# Allegro board parallella_layout.brd (continued)
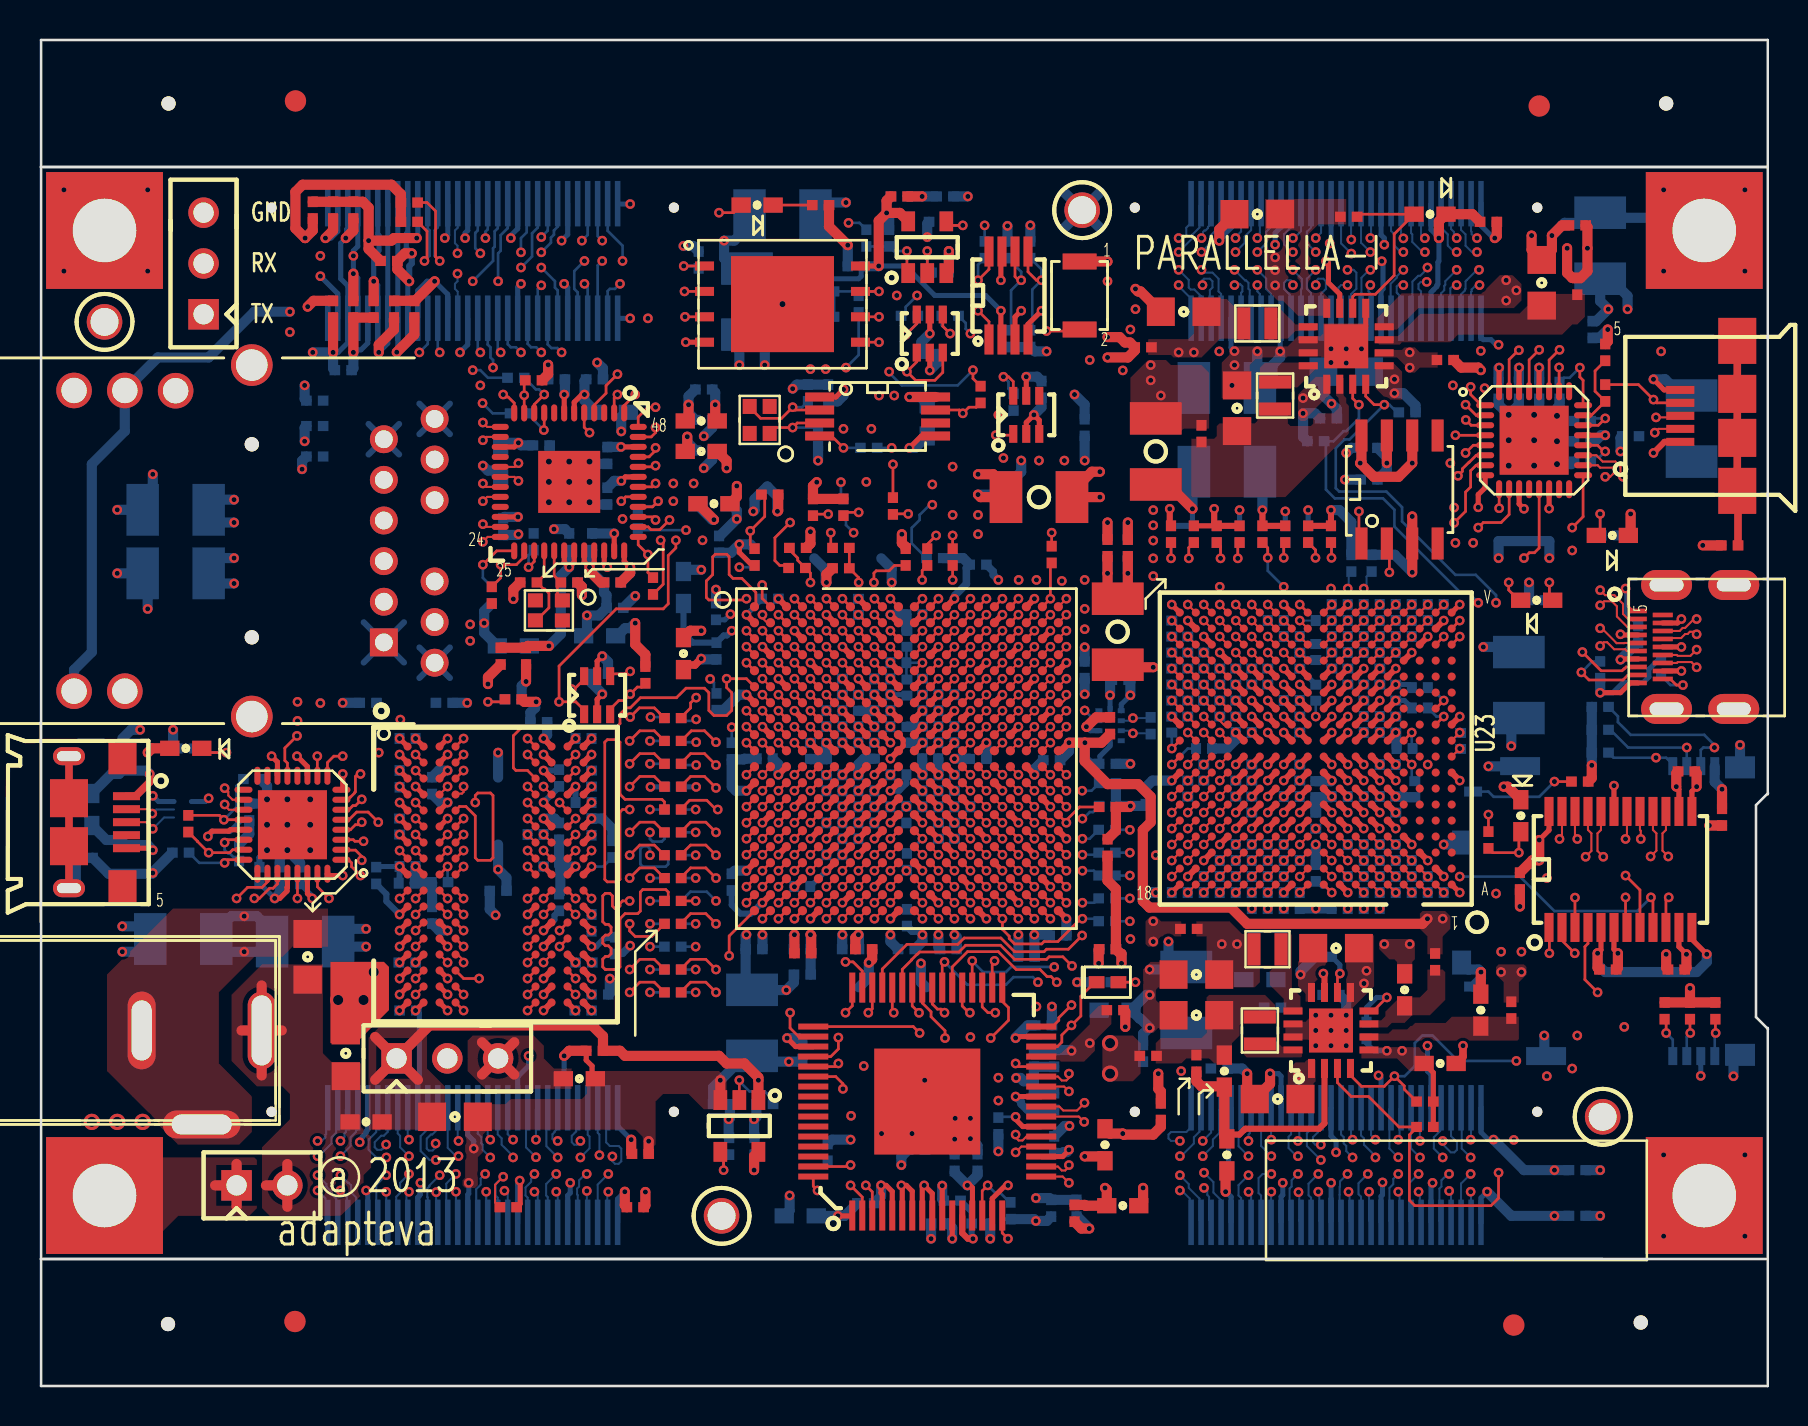
[diagram p0: board, top side]
## Routing (per net, layer and track width the routed paths; a pad name or vN(x,y) marks a point on that pad's centre or on a via; arc(x,y) is an arc through that point) (continued)
  L8_SIG w0.108: v1(55.68,41.39) 54.78,42.29 54.28,42.29 53.9,42.67 53.9,46.86 53.01,47.75 53.01,50.8 v1(52.5,51.31)
  BOTTOM w0.133: R164.1 62.21,42.1 v1(62.21,41.41) ; v1(24.06,56.69) 24.06,57.4 24.34,57.69 24.34,59.07 J13.20
ETH_MDC: length 19.9
  TOP w0.133: v1(42.66,46.09) R60.2 ; v1(28.88,50.6) 28.31,50.03 28.31,49.64 27.72,49.05 U9.4
  L10_SIG w0.108: v1(42.66,46.09) 41.76,46.99 40.87,46.99 40.44,47.42 39.8,47.42 39.6,47.62 38.15,47.62 37.95,47.42 36.76,47.42 34.01,50.16 30.46,50.16 30.03,50.6 v1(28.88,50.6)
ETH_MDIO: length 31.2
  TOP w0.133: v1(27.49,47.68) 27.22,47.94 U9.5 ; U2.C11 v1(44.14,37.77)
  L8_SIG w0.108: v1(44.14,37.77) 44.54,38.17 44.54,41.87 44.38,42.04 44.38,42.93 44.63,43.18 v1(44.63,44.07)
  L10_SIG w0.108: v1(27.49,47.68) 28.37,48.56 30.61,48.56 30.62,48.55 30.95,48.55 30.97,48.56 31.37,48.56 32.06,47.88 33.02,47.88 33.04,47.9 33.58,47.9 34.36,47.12 34.98,47.12 36.32,45.77 41.46,45.77 42.73,44.5 44.07,44.5 44.5,44.07 v1(44.63,44.07)
  BOTTOM w0.133: v1(44.63,44.07) 44.5,44.07 44,43.56 44,43.31 43.6,42.91 43.6,42.14 R61.1
ETH_RXCLK: length 22.9
  TOP w0.133: U2.B17 v1(48.94,38.57)
  L10_SIG w0.108: v1(32.31,42.8) 32.23,42.72 32.18,42.72 32.69,43.23 33.2,43.23 33.58,42.85 34.8,42.85 36.2,41.45 43.17,41.45 43.49,41.14 47.74,41.14 48.33,40.55 48.33,39.88 48.53,39.67 48.53,38.97 v1(48.94,38.57)
  BOTTOM w0.133: R71.1 29.99,42.8 v1(32.31,42.8)
ETH_RXCTL: length 26.8
  TOP w0.133: R297.1 31.17,40.09 31.17,42.16 v1(31.04,42.29) ; U2.D13 v1(45.74,36.97)
  L3_SIG w0.108: v1(45.74,36.97) 46.14,37.37 46.14,41.82 v1(46.92,42.6)
  L5_SIG w0.108: v1(46.92,42.6) 46.54,42.98 45.46,42.98 45.22,42.74 45.22,42.36 44.95,42.09 39.68,42.09 39.17,41.58 31.75,41.58 v1(31.04,42.29)
ETH_RXD0: length 29.1
  TOP w0.133: U9.38 30.42,42.96 30.56,42.82 31,42.82 v1(31.49,43.31) ; U2.D11 v1(44.14,36.97)
  L5_SIG w0.108: v1(31.49,43.31) 33,43.31 33.33,42.98 33.47,42.98 33.64,42.8 33.64,42.1 33.84,41.91 34.34,41.91 34.47,42.04 34.47,42.53 34.54,42.6 35.05,42.6 35.45,42.2 38.79,42.2 39.04,42.45 39.04,42.93 39.24,43.12 42.28,43.12 42.41,43.25 42.41,44.07 42.53,44.2 42.85,44.2 42.98,44.07 42.98,43.25 43.11,43.12 45.2,43.12 v1(45.65,43.56)
  L8_SIG w0.108: v1(44.14,36.97) 44.54,37.37 45.1,37.37 45.33,37.61 45.33,39.81 45.14,40.01 45.14,41.27 46.15,42.29 46.15,43.05 v1(45.65,43.56)
ETH_RXD1: length 27.8
  TOP w0.133: v1(30.79,43.31) 30.79,43.38 30.71,43.46 U9.39 ; U2.A16 v1(48.14,39.37)
  L10_SIG w0.108: v1(30.79,43.31) 30.74,43.36 29.77,43.36 29.64,43.23 29.64,42.67 29.14,42.16 28.5,42.16 28.37,42.04 28.37,41.66 28.5,41.53 29.52,41.53 30.15,42.16 30.53,42.16 30.85,41.85 32.55,41.85 32.68,41.97 32.68,42.58 32.84,42.74 33.31,42.74 34.65,41.4 35.49,41.4 35.82,41.07 42.98,41.07 43.23,40.82 47.17,40.82 47.42,40.56 47.42,40.08 v1(48.14,39.37)
ETH_RXD2: length 29.6
  TOP w0.133: U9.41 29.29,44.46 v1(29.07,44.25) ; U2.F15 v1(47.34,35.37)
  L5_SIG w0.108: v1(29.07,44.25) 29.47,44.64 32.05,44.64 32.5,44.2 41.33,44.2 42.22,45.09 v1(44.63,45.09)
  L8_SIG w0.108: v1(44.63,45.09) 44.5,45.09 45.14,44.45 45.65,44.45 46.41,43.69 46.41,41.78 46.15,41.53 46.15,41.16 46.14,41.15 46.14,36.01 46.38,35.77 46.94,35.77 v1(47.34,35.37)
ETH_RXD3: length 27.4
  TOP w0.133: v1(30.79,45.14) 30.61,44.96 U9.42 ; U2.A15 v1(47.34,39.37)
  L3_SIG w0.108: v1(30.79,45.14) 31.28,44.64 31.93,44.64 33.14,43.44 v1(33.14,42.29)
  L10_SIG w0.108: v1(47.34,39.37) 46.9,39.8 43.61,39.8 42.73,40.69 40.76,40.69 40.57,40.5 39.61,40.5 39.42,40.69 35.79,40.69 35.49,40.39 33.45,40.39 33.2,40.13 30.91,40.13 30.79,40.26 30.79,41.27 30.91,41.4 32.95,41.4 33.07,41.53 33.07,42.23 v1(33.14,42.29)
ETH_TXCLK: length 24.8
  TOP w0.133: U9.47 30.57,47.46 30.79,47.68 v1(30.79,47.93) ; R59.2 v1(50.6,42.67)
  L10_SIG w0.108: v1(30.79,47.93) 32.4,46.32 34.72,46.32 35.84,45.2 37.71,45.2 38.46,44.45 41.14,44.45 42.47,43.12 43.28,43.12 43.65,42.75 43.65,42.31 43.82,42.14 44.07,42.14 44.31,41.9 49.82,41.9 v1(50.6,42.67)
ETH_TXCTL: length 22.5
  TOP w0.133: v1(28.88,49.58) 28.72,49.42 U9.2 ; R296.2 v1(45.65,42.53)
  L10_SIG w0.108: v1(28.88,49.58) 28.88,49.53 29.26,49.15 30.15,49.15 30.41,49.4 31.17,49.4 32.31,48.26 34.72,48.26 36.25,46.74 38.41,46.74 38.58,46.91 38.98,46.91 39.74,46.15 41.53,46.15 42.85,44.83 44.12,44.83 44.38,44.58 45.01,44.58 45.14,44.45 45.14,43.04 v1(45.65,42.53)
ETH_TXD0: length 27.1
  TOP w0.133: v1(30.79,46.02) 30.72,45.96 U9.44 ; U2.E14 v1(46.54,36.17)
  L5_SIG w0.108: v1(30.79,46.02) 31.23,45.58 32.82,45.58 33.01,45.39 34.6,45.39 34.85,45.64 44.83,45.64 v1(46.92,43.56)
  L8_SIG w0.108: v1(46.54,36.17) 46.93,36.57 46.93,37.13 46.92,37.15 46.92,37.59 46.93,37.61 46.93,39.73 46.52,40.15 46.52,41.39 47.42,42.29 47.42,43.05 v1(46.92,43.56)
ETH_TXD1: length 26.7
  TOP w0.133: U9.45 30.46,46.46 30.79,46.79 v1(30.79,46.91) ; U2.B18 v1(49.74,38.57)
  L8_SIG w0.108: v1(30.79,46.91) 30.39,46.52 30.39,45.86 30.62,45.63 30.91,45.63 31.28,45.26 31.28,44.64 v1(31.68,44.25)
  L10_SIG w0.108: v1(31.68,44.25) 32.12,44.25 32.18,44.18 37.14,44.18 38.14,43.18 40.95,43.18 41.85,42.28 42.69,42.28 43.04,41.93 43.71,41.93 44,41.64 48.44,41.64 49.35,40.74 49.35,39.54 49.34,39.53 49.34,38.97 v1(49.74,38.57)
ETH_TXD2: length 25.5
  TOP w0.133: U9.48 29.92,48.46 30.41,48.95 v1(30.79,48.95) ; U2.D10 v1(42.53,36.97)
  L5_SIG w0.108: v1(30.79,48.95) 31.3,48.44 38.85,48.44 39.93,47.36 41.07,47.36 v1(41.58,47.87)
  L8_SIG w0.108: v1(41.58,47.87) 41.58,46.23 42.32,45.49 42.32,43.31 42.37,43.26 42.37,41.17 43,40.55 43,39.72 42.98,39.71 42.98,37.41 v1(42.53,36.97)
ETH_TXD3: length 30.7
  TOP w0.133: U9.1 29.22,49.03 v1(29.77,49.58) ; U2.A17 v1(48.94,39.37)
  L3_SIG w0.108: v1(29.14,43.36) 29.77,43.99 v1(29.77,49.58)
  L10_SIG w0.108: v1(48.94,39.37) 48.94,39.67 48.54,40.07 48.54,40.72 47.87,41.39 43.74,41.39 43.41,41.72 42.27,41.72 42.21,41.78 39.73,41.78 39.6,41.91 39.3,41.91 39.25,41.96 36.83,41.96 36.12,42.67 36.12,42.91 35.74,43.29 35.5,43.29 35.04,43.75 29.53,43.75 v1(29.14,43.36)
ETH_XTAL_IN: length 2.8
  TOP w0.133: U9.29 25.72,40.51 C62.1 26.05,40.16 25.88,39.99 25.88,39.61 26.05,39.44 26.05,39.36 Y2.1
ETH_XTAL_OUT: length 4.2
  TOP w0.133: Y2.3 24.83,38.29 25.45,38.91 25.45,39.65 25.24,39.86 25.18,39.86 C85.1 25.22,40.55 U9.28
GPIO0_N: length 37.5
  TOP w0.102: U2.U17 v1(48.94,25.77)
  L5_SIG w0.095: v1(48.94,25.77) 48.94,26.03 48.82,26.15 48.65,26.15 48.53,26.03 48.53,23 48.44,22.91 48.16,22.91 48.05,22.8 48.05,22.27 47.35,21.56 47.35,20.22 46.05,18.92 46.05,14.5 44.88,13.34 44.88,11.86 44.58,11.56 42.47,11.56 42.34,11.43 42.34,10.92 42.04,10.62 41.38,10.62 41.07,10.92 41.07,11.43 40.95,11.56 40.01,11.56 38.55,10.1 31.87,10.1 31.8,10.16 29.05,10.16 28.98,10.1 28.81,10.1 v1(28.42,9.72)
  BOTTOM w0.102: v1(28.42,9.72) 28.37,9.66 28.37,8.2 J11.3
GPIO0_P: length 37.6
  TOP w0.102: U2.T16 v1(48.14,26.57)
  L5_SIG w0.095: v1(48.14,26.57) 48.14,26.54 47.74,26.15 47.74,22.39 47.04,21.69 47.04,20.35 45.75,19.05 45.75,14.63 44.58,13.46 44.58,11.99 44.45,11.86 42.34,11.86 42.04,11.56 42.04,11.05 41.91,10.92 41.51,10.92 41.38,11.05 41.38,11.56 41.07,11.86 39.88,11.86 38.42,10.4 31.99,10.4 31.93,10.47 28.92,10.47 28.86,10.4 28.63,10.4 v1(28.42,10.6)
  BOTTOM w0.102: v1(28.42,10.6) 27.89,10.07 J11.5
GPIO1_N: length 37.8
  TOP w0.102: U2.W16 v1(48.14,24.17)
  L3_SIG w0.095: v1(48.14,24.17) 47.87,24.17 47.74,24.3 47.74,24.45 47.87,24.57 48.35,24.57 48.54,24.38 48.54,23.16 48.24,22.86 48.16,22.68 47.04,21.56 47.04,20.29 45.71,18.96 45.71,15.86 42.73,12.88 42.73,12.62 41.95,11.85 40.06,11.85 39.75,11.54 39.75,10.54 39.69,10.47 37.84,10.47 36.47,11.85 34.03,11.85 33.4,11.23 33.4,10.67 33.2,10.46 29.64,10.46 29.19,10.92 v1(28.63,11.48)
  BOTTOM w0.102: J11.4 28.32,13.84 28.32,12.19 28.5,12 28.95,12 29.07,11.87 29.07,11.24 28.95,11.11 28.76,11.11 28.63,11.24 v1(28.63,11.48)
GPIO1_P: length 37.7
  TOP w0.102: U2.V16 v1(48.14,24.97)
  L3_SIG w0.095: v1(48.14,24.97) 48.22,24.88 48.47,24.88 48.77,24.58 49.08,24.58 49.33,24.33 49.33,23.16 49.14,22.97 48.79,22.97 48.49,22.68 48.41,22.5 47.35,21.44 47.35,20.17 46.01,18.83 46.01,15.74 43.03,12.75 43.03,12.5 42.08,11.54 40.19,11.54 40.06,11.42 40.06,10.41 39.81,10.17 37.72,10.17 36.34,11.54 34.15,11.54 33.71,11.1 33.71,10.54 33.33,10.16 29.52,10.16 28.88,10.79 28.59,11.09 28.45,11.09 27.99,11.54 v1(27.98,11.54)
  BOTTOM w0.102: J11.6 27.89,12.66 27.98,12.57 v1(27.98,11.54)
GPIO2_N: length 38.6
  TOP w0.102: U2.P16 v1(48.14,28.17)
  L8_SIG w0.095: v1(48.14,28.17) 48.24,28.06 48.42,28.06 48.73,27.76 49.1,27.76 49.33,27.53 49.33,26.36 49.53,26.16 49.9,26.16 50.13,25.93 50.13,22.31 49.81,22 49.81,21.72 47.83,19.74 46.89,19.74 46.08,18.92 46.08,18.42 45.52,17.86 45.14,17.86 44.81,17.53 44.81,17.32 41.51,14.02 40.44,14.02 36.25,9.83 31.55,9.83 30.89,10.49 29.06,10.49 28.7,10.13 27.54,10.13 27.35,9.95 v1(27.35,9.75)
  BOTTOM w0.102: J11.7 27.35,8.23 v1(27.35,9.75)
GPIO2_P: length 38.9
  TOP w0.102: U2.P15 v1(47.34,28.17)
  L8_SIG w0.095: v1(47.34,28.17) 47.5,28 47.5,27.99 47.73,27.76 48.3,27.76 48.54,27.51 48.54,26.41 48.79,26.16 49.1,26.16 49.33,25.93 49.33,22.28 49.51,22.09 49.51,21.84 47.7,20.04 46.76,20.04 45.77,19.05 45.77,18.54 45.39,18.16 45.01,18.16 44.5,17.65 44.5,17.45 41.38,14.33 40.31,14.33 36.12,10.13 31.68,10.13 31.02,10.79 29.06,10.79 28.83,11.02 27.76,11.02 v1(27.35,10.6)
  BOTTOM w0.102: J11.9 26.89,9.55 26.86,9.58 26.86,9.87 26.96,9.98 26.96,10.29 27.28,10.6 v1(27.35,10.6)
GPIO3_N: length 36.9
  TOP w0.102: v1(50.54,25.77) U2.U19
  L10_SIG w0.095: v1(50.54,25.77) 50.55,25.78 50.85,25.78 50.93,25.71 50.93,24.81 50.7,24.58 50.39,24.58 50.14,24.33 50.14,24.03 49.88,23.76 49.57,23.76 49.33,23.51 49.33,22.1 49.13,21.9 49.13,21.59 47.56,20.02 45.98,20.02 45.52,19.56 43.66,19.56 43.19,19.09 39.89,19.09 39.74,18.93 39.74,18.3 38.33,16.89 38.33,16 37.26,14.94 36.63,14.94 35.16,13.46 35.16,12.95 33.58,11.38 29.39,11.38 28.82,11.95 27.74,11.95 27.47,11.68 27.23,11.68 27.03,11.48 v1(27.03,11.43)
  BOTTOM w0.102: v1(27.03,11.43) 27.49,11.89 27.49,12.47 27.39,12.56 J11.8
GPIO3_P: length 37
  TOP w0.102: v1(49.74,25.77) U2.U18
  L10_SIG w0.095: v1(27.03,12.26) 27.03,12.19 27.23,11.99 27.35,11.99 27.61,12.26 28.95,12.26 29.52,11.68 33.45,11.68 34.85,13.08 34.85,13.59 36.5,15.24 37.14,15.24 38.03,16.13 38.03,17.02 39.43,18.42 39.43,19.06 39.77,19.39 43.07,19.39 43.54,19.86 45.39,19.86 45.85,20.32 47.43,20.32 48.83,21.72 48.83,22.13 48.54,22.41 48.54,23.53 48.77,23.76 49.14,23.76 49.34,23.96 49.34,24.33 49.57,24.56 49.94,24.56 50.14,24.76 50.14,26.11 50.08,26.18 49.85,26.18 49.71,26.04 49.71,25.79 v1(49.74,25.77)
  BOTTOM w0.102: J11.10 26.82,13.84 26.82,12.73 26.6,12.51 26.6,12.19 26.72,12.07 26.85,12.07 27.03,12.24 v1(27.03,12.26)
GPIO4_N: length 39.7
  TOP w0.102: U2.R14 v1(46.54,27.37)
  L8_SIG w0.095: v1(25.82,9.72) 25.82,10.05 26.59,10.82 26.59,12.39 26.91,12.71 28.11,12.71 29.27,11.55 36.06,11.55 39.8,15.29 40.13,15.29 40.74,15.9 40.74,16.1 41.51,16.87 41.99,16.87 43.41,18.29 43.41,18.72 44.07,19.38 45.39,19.38 46.46,20.45 46.81,20.45 47.35,20.98 47.35,21.51 48.29,22.45 48.29,22.92 48.54,23.18 48.54,25.91 48.53,25.93 48.3,26.16 47.97,26.16 47.73,26.41 47.73,26.73 47.5,26.96 47.19,26.96 46.94,27.21 46.94,27.64 46.82,27.76 46.66,27.76 46.54,27.64 v1(46.54,27.37)
  BOTTOM w0.102: v1(25.82,9.72) 25.89,9.64 J11.13
GPIO4_P: length 39.8
  TOP w0.102: U2.P14 v1(46.54,28.17)
  L8_SIG w0.095: v1(46.54,28.17) 46.13,27.76 46.13,27.18 46.35,26.96 46.73,26.96 46.94,26.74 46.94,26.41 47.19,26.16 47.5,26.16 47.74,25.91 47.74,23.15 47.98,22.91 47.98,22.58 47.04,21.64 47.04,21.11 46.69,20.75 46.33,20.75 45.27,19.69 43.94,19.69 43.11,18.85 43.11,18.41 41.86,17.17 41.38,17.17 40.44,16.23 40.44,16.03 40.01,15.6 39.68,15.6 35.93,11.85 29.4,11.85 28.23,13.02 26.79,13.02 26.28,12.51 26.28,10.94 26.12,10.78 26,10.78 v1(25.82,10.6)
  BOTTOM w0.102: J11.15 25.39,9.45 25.32,9.53 25.32,10.1 v1(25.82,10.6)
GPIO5_N: length 36.8
  TOP w0.102: U2.T15 v1(47.34,26.57)
  L10_SIG w0.095: v1(47.34,26.57) 47.05,26.57 46.93,26.44 46.93,25.61 46.7,25.38 46.39,25.38 46.14,25.14 46.14,23.19 45.93,22.98 45.59,22.98 45.34,22.73 45.34,22.3 45.01,21.97 43.74,21.97 42.47,20.7 39,20.7 37.71,19.41 36.89,19.41 33.2,15.72 33.2,13.72 32.06,12.57 31.14,12.57 30.46,13.26 26.89,13.26 26.46,12.83 25.83,12.83 25.71,12.96 25.71,13.21 25.58,13.34 25.33,13.34 25.2,13.21 25.2,11.94 25.33,11.81 25.76,11.81 25.89,11.94 v1(25.89,12.26)
  BOTTOM w0.102: J11.14 25.82,13.84 25.82,12.81 25.74,12.73 25.74,12.69 25.63,12.59 25.63,12.36 25.73,12.26 v1(25.89,12.26)
GPIO5_P: length 36.9
  TOP w0.102: U2.T14 v1(46.54,26.57)
  L10_SIG w0.095: v1(25.89,11.43) 26.35,11.89 26.35,12.29 27.02,12.95 30.33,12.95 31.02,12.27 32.18,12.27 33.5,13.59 33.5,15.6 37.01,19.1 37.84,19.1 39.13,20.4 42.6,20.4 43.87,21.67 45.14,21.67 45.65,22.18 45.9,22.18 46.13,22.41 46.13,22.74 46.37,22.98 46.7,22.98 46.94,23.22 46.94,25.13 47.19,25.38 47.5,25.38 47.73,25.61 47.73,26.73 47.5,26.96 46.93,26.96 v1(46.54,26.57)
  BOTTOM w0.102: v1(25.89,11.43) 25.33,12 25.33,13.85 J11.16
GPIO6_N: length 36.9
  TOP w0.102: U2.U15 v1(47.34,25.77)
  L8_SIG w0.095: v1(47.34,25.77) 46.94,25.38 46.94,24.4 46.93,24.38 46.93,24.01 46.7,23.78 46.37,23.78 46.13,23.53 46.13,23.21 45.9,22.98 45.53,22.98 45.33,22.78 45.33,22.41 45.14,22.22 45.14,21.72 44.81,21.39 44.81,20.7 44.5,20.39 43.33,20.39 42.2,19.27 42.2,18.28 41.84,17.91 41.43,17.91 40.08,16.56 39.55,16.56 38.38,15.39 37.8,15.39 37.67,15.27 37.67,14.68 36.77,13.78 33.84,13.78 32.51,12.45 30.99,12.45 29.67,13.77 26.24,13.77 25.5,13.03 25.5,10.84 25.23,10.56 25.23,10.14 24.81,9.72 v1(24.73,9.72)
  BOTTOM w0.102: v1(24.73,9.72) 24.89,9.55 J11.17
GPIO6_P: length 36.9
  TOP w0.102: U2.U14 v1(46.54,25.77)
  L8_SIG w0.095: v1(46.54,25.77) 46.13,25.36 46.13,24.01 45.88,23.76 45.57,23.76 45.33,23.51 45.33,23.21 45.08,22.96 44.77,22.96 44.54,22.73 44.54,22.35 44.84,22.06 44.84,21.85 44.5,21.51 44.5,20.82 44.38,20.69 43.2,20.69 41.9,19.39 41.9,18.4 41.71,18.21 41.3,18.21 39.96,16.87 39.42,16.87 38.26,15.7 37.67,15.7 37.37,15.39 37.37,14.81 36.64,14.08 33.72,14.08 32.38,12.75 31.12,12.75 29.8,14.07 26.11,14.07 25.2,13.15 25.2,11 24.81,10.6 v1(24.73,10.6)
  BOTTOM w0.102: J11.19 24.39,9.42 24.28,9.53 24.28,9.93 24.56,10.21 24.56,10.36 24.73,10.53 v1(24.73,10.6)
GPIO7_N: length 36.9
  TOP w0.102: U2.Y14 v1(46.54,23.37)
  L5_SIG w0.095: v1(46.54,23.37) 46.54,23.63 46.42,23.75 46.25,23.75 46.13,23.63 46.13,23.01 46.28,22.86 46.57,22.86 46.64,22.8 46.64,22.4 45.75,21.51 45.75,20.26 44.41,18.92 44.41,16.22 44.76,15.88 44.76,15.11 43.11,13.46 41.71,13.46 41.3,13.06 39.68,13.06 37.85,11.23 36.63,11.23 36.17,11.68 33.71,11.68 33.25,11.23 32.44,11.23 31.98,11.68 31.42,11.68 31.04,11.3 29.92,11.3 28.98,12.24 27.59,12.24 27.49,12.35 27.49,12.57 27.41,12.65 25.65,12.65 25.45,12.45 25.45,11.99 25.3,11.84 24.92,11.84 24.82,11.94 24.82,12.31 v1(24.81,12.32)
  BOTTOM w0.102: v1(24.81,12.32) 24.81,13.83 J11.18
GPIO7_P: length 37
  TOP w0.102: U2.W14 v1(46.54,24.17)
  L5_SIG w0.095: v1(24.81,11.44) 25.34,11.44 25.72,11.82 27.37,11.82 27.49,11.94 28.85,11.94 29.79,11 31.17,11 31.55,11.38 31.85,11.38 32.31,10.92 33.38,10.92 33.84,11.38 36.04,11.38 36.5,10.92 37.98,10.92 39.8,12.75 41.43,12.75 41.84,13.16 43.23,13.16 45.06,14.99 45.06,16 44.72,16.34 44.72,18.8 46.05,20.13 46.05,21.39 46.94,22.28 46.94,23.76 v1(46.54,24.17)
  BOTTOM w0.102: v1(24.81,11.44) 24.31,11.93 24.31,13.83 J11.20
GPIO8_N: length 39.6
  TOP w0.102: U2.V13 v1(45.74,24.97)
  L10_SIG w0.095: v1(45.74,24.97) 45.63,24.86 45.63,24.68 45.33,24.38 45.33,24.01 45.08,23.76 44.77,23.76 44.53,23.51 44.53,23.21 44.3,22.98 43.87,22.98 43.74,23.11 43.74,23.34 43.63,23.45 43.5,23.45 43.28,23.24 43.28,22.29 42.72,21.73 39.98,21.73 39.35,21.1 37.93,21.1 31.56,14.73 30.51,14.73 30.34,14.56 30.34,14.12 30.06,13.84 29.43,13.84 29.15,14.12 29.15,14.56 29.06,14.66 28.68,14.66 28.58,14.56 28.58,14.12 28.31,13.84 27.68,13.84 27.4,14.12 27.4,14.56 27.31,14.66 26.93,14.66 26.83,14.56 26.83,14.12 26.56,13.84 25.92,13.84 25.65,14.12 25.65,14.56 25.55,14.66 24.58,14.66 24.4,14.48 24.4,11.18 23.95,10.73 23.82,10.73 23.56,10.47 23.56,10.15 23.68,10.03 23.68,9.4 23.55,9.27 23.29,9.27 23.17,9.4 23.17,9.7 v1(23.23,9.77)
  BOTTOM w0.102: J11.23 23.39,9.6 v1(23.23,9.77)
GPIO8_P: length 41.3
  TOP w0.102: v1(23.17,10.46) 22.76,10.06 22.76,9.18 R223.2 ; U2.U13 v1(45.74,25.77)
  L10_SIG w0.095: v1(23.17,10.46) 23.25,10.55 23.25,10.6 23.69,11.04 23.82,11.04 24.09,11.31 24.09,14.6 24.45,14.96 25.68,14.96 25.95,14.69 25.95,14.24 26.05,14.15 26.43,14.15 26.53,14.24 26.53,14.69 26.8,14.96 27.43,14.96 27.71,14.69 27.71,14.24 27.8,14.15 28.18,14.15 28.28,14.24 28.28,14.69 28.55,14.96 29.19,14.96 29.46,14.69 29.46,14.24 29.55,14.15 29.94,14.15 30.03,14.24 30.03,14.69 30.38,15.04 31.44,15.04 37.8,21.41 39.23,21.41 39.85,22.03 42.6,22.03 42.98,22.41 42.98,23.37 43.37,23.76 44.28,23.76 44.53,24.01 44.53,24.36 44.75,24.58 45.1,24.58 45.33,24.81 45.33,26.06 45.45,26.19 45.61,26.19 45.74,26.06 v1(45.74,25.77)
  BOTTOM w0.102: J11.25 22.89,9.42 22.79,9.53 22.79,10.11 23.14,10.46 v1(23.17,10.46)
GPIO9_N: length 38
  TOP w0.102: U2.W13 v1(45.74,24.17)
  L5_SIG w0.095: v1(23.66,12.32) 23.93,12.05 23.93,11.94 23.85,11.86 23.5,11.86 23.21,12.14 23.21,12.67 23.37,12.83 25.2,12.83 25.53,13.16 26.16,13.16 26.34,13.34 30.03,13.34 30.84,12.52 30.84,12.52 31.04,12.32 37.85,12.32 39.63,14.1 42.6,14.1 43.49,14.99 43.49,19.22 44.85,20.57 44.85,21.89 45.33,22.37 45.33,24.43 45.47,24.57 46.03,24.57 46.15,24.45 46.15,24.3 46.03,24.17 v1(45.74,24.17)
  BOTTOM w0.102: v1(23.66,12.32) 23.39,12.59 J11.24
GPIO9_P: length 37.8
  TOP w0.102: U2.V12 v1(44.94,24.97)
  L5_SIG w0.095: v1(23.66,11.43) 23.54,11.56 23.37,11.56 22.91,12.02 22.91,12.8 23.24,13.13 25.07,13.13 25.4,13.46 26.04,13.46 26.22,13.64 30.15,13.64 31.14,12.65 31.17,12.62 37.72,12.62 39.5,14.4 42.47,14.4 43.18,15.11 43.18,19.34 44.54,20.7 44.54,22.23 44.54,22.23 44.54,24.55 44.94,24.94 v1(44.94,24.97)
  BOTTOM w0.102: v1(23.66,11.43) 23.66,11.49 23.09,12.07 23.09,12.38 22.89,12.58 J11.26
GPIO10_N: length 36.9
  TOP w0.102: U2.U12 v1(44.94,25.77)
  L8_SIG w0.095: v1(44.94,25.77) 45.14,25.77 45.34,25.56 45.34,24.01 45.16,23.82 45.14,23.82 45.1,23.78 44.79,23.78 44.53,23.52 44.53,23.21 44.5,23.18 44.5,23.16 44.31,22.97 43.66,22.97 43.47,22.78 43.47,21.58 41.46,19.56 40.31,19.56 39.8,19.05 39.8,18.29 38.2,16.69 36.76,16.69 36.63,16.56 36.63,14.89 36.22,14.48 33.58,14.48 33.28,14.78 26.09,14.78 24.41,13.11 24.41,12.09 24.05,11.73 24.05,11.27 23.82,11.04 23.11,11.04 22.81,10.73 22.8,10.73 22.72,10.66 22.72,10.15 22.59,10.02 v1(22.32,9.71)
  BOTTOM w0.102: v1(22.32,9.71) 22.32,8.26 J11.27
GPIO10_P: length 36.9
  TOP w0.102: U2.T12 v1(44.94,26.57)
  L8_SIG w0.095: v1(44.94,26.57) 44.54,26.17 44.54,23.96 44.35,23.78 43.91,23.78 43.68,23.55 43.68,23.42 43.17,22.91 43.17,21.7 41.33,19.86 40.19,19.86 39.5,19.18 39.5,18.41 38.08,16.99 36.63,16.99 36.32,16.69 36.32,15.02 36.09,14.78 33.71,14.78 33.4,15.09 25.96,15.09 24.11,13.24 24.11,12.21 23.82,11.93 23.6,11.93 23.02,11.34 22.99,11.34 22.68,11.04 22.68,11.04 22.42,10.78 22.42,10.76 v1(22.27,10.6)
  BOTTOM w0.102: J11.29 21.82,8.26 21.82,9.84 22.04,10.07 22.04,10.38 v1(22.27,10.6)
GPIO11_N: length 37.8
  TOP w0.102: U2.T10 v1(42.53,26.57)
  L10_SIG w0.095: v1(42.53,26.57) 42.53,26.66 43.08,27.2 43.26,27.2 43.43,27.03 43.43,26.85 42.74,26.16 42.37,26.16 42.14,25.93 42.14,25.63 41.9,25.38 40.79,25.38 40.54,25.13 40.54,24.83 40.28,24.56 39.97,24.56 39.74,24.33 39.74,24.02 39.48,23.76 39.17,23.76 38.94,23.53 38.94,23.05 39.02,22.98 39.02,22.48 38.64,22.1 37.47,22.1 31.17,15.8 30.66,15.8 30.49,15.96 30.49,16.42 30.15,16.76 29.72,16.76 29.34,16.38 29.34,16 29.14,15.8 28.96,15.8 28.76,16 28.76,16.38 28.37,16.76 27.94,16.76 27.56,16.38 27.56,16 27.36,15.8 27.15,15.8 26.9,16.05 24.31,16.05 22.79,14.53 22.41,14.53 21.97,14.1 21.97,13.51 22.41,13.08 22.71,13.08 22.96,12.83 22.96,12.07 22.84,11.94 22.65,11.94 22.52,12.07 v1(22.52,12.32)
  BOTTOM w0.102: J11.28 22.39,12.56 22.44,12.51 22.44,12.46 22.52,12.38 v1(22.52,12.32)
GPIO11_P: length 37.8
  TOP w0.102: U2.T11 v1(44.14,26.57)
  L10_SIG w0.095: v1(44.14,26.57) 43.58,26.57 42.94,25.93 42.94,25.63 42.7,25.38 42.39,25.38 42.14,25.13 42.14,24.82 41.9,24.58 40.73,24.58 40.52,24.38 40.52,24.01 40.3,23.78 39.93,23.78 39.72,23.58 39.72,23.21 39.32,22.8 39.32,22.35 38.76,21.79 37.59,21.79 31.3,15.49 30.53,15.49 30.19,15.84 30.19,16.29 30.03,16.46 29.85,16.46 29.64,16.26 29.64,15.88 29.26,15.49 28.83,15.49 28.45,15.88 28.45,16.26 28.25,16.46 28.07,16.46 27.87,16.26 27.87,15.88 27.49,15.49 27.03,15.49 26.77,15.75 24.44,15.75 22.91,14.22 22.53,14.22 22.28,13.97 22.28,13.64 22.53,13.39 22.84,13.39 23.27,12.95 23.27,11.94 22.96,11.63 22.84,11.63 22.63,11.43 v1(22.52,11.43)
  BOTTOM w0.102: J11.30 21.89,12.63 22.07,12.45 22.07,12.13 22.14,12.07 22.14,11.81 v1(22.52,11.43)
GPIO12_N: length 39.3
  TOP w0.102: U2.Y13 v1(45.74,23.37)
  L3_SIG w0.095: v1(20.8,9.72) 21.24,9.72 21.93,9.02 25.02,9.02 25.43,9.43 25.43,10.77 25.5,10.84 25.5,12.42 25.83,12.75 29.25,12.75 31.28,14.78 32.72,14.78 33.53,13.97 40.69,13.97 43.51,16.79 43.51,19.32 44.78,20.59 44.78,21.47 45.17,21.86 45.21,21.86 45.46,22.11 45.85,22.11 46.14,22.4 46.14,23.43 46.03,23.55 45.86,23.55 45.74,23.43 v1(45.74,23.37)
  BOTTOM w0.102: v1(20.8,9.72) 20.8,8.27 J11.33
GPIO12_P: length 39.6
  TOP w0.102: U2.Y12 v1(44.94,23.37)
  L3_SIG w0.095: v1(20.8,10.6) 20.86,10.55 21.61,10.55 21.84,10.32 21.84,9.55 22.06,9.32 24.89,9.32 25.13,9.56 25.13,10.89 25.2,10.96 25.2,12.54 25.71,13.06 29.12,13.06 31.16,15.09 32.84,15.09 33.66,14.27 40.57,14.27 43.21,16.92 43.21,19.44 44.48,20.71 44.48,21.6 45.06,22.18 45.1,22.18 45.33,22.41 45.33,22.97 v1(44.94,23.37)
  BOTTOM w0.102: v1(20.8,10.6) 20.32,10.12 20.32,8.26 J11.35
GPIO13_N: length 38.2
  TOP w0.102: U2.Y11 v1(44.14,23.37)
  L3_SIG w0.095: v1(44.14,23.37) 44.14,23.56 44.01,23.69 43.74,23.69 43.49,23.43 43.49,22.99 43.61,22.86 43.61,21.95 43.21,21.54 43.21,20.92 41.94,19.65 41.94,18.25 42.42,17.77 42.42,17.4 41.95,16.93 41.09,16.93 40.32,16.16 40.32,15.88 40.11,15.67 39.63,15.67 39.42,15.88 39.42,16 39.17,16.26 38.41,16.26 38.01,15.86 38.01,15.2 37.91,15.1 37.53,15.1 37.43,15.2 37.43,15.45 37.16,15.72 36.72,15.72 36.27,16.17 30.98,16.17 28.63,13.82 25.38,13.82 24.69,13.13 21.64,13.13 21.24,12.73 20.37,12.73 20.25,12.6 20.25,12 20.37,11.87 20.8,11.87 20.93,12 v1(20.93,12.26)
  BOTTOM w0.102: v1(20.93,12.26) 20.89,12.29 J11.34
GPIO13_P: length 38.2
  TOP w0.102: U2.W11 v1(44.14,24.17)
  L3_SIG w0.095: v1(20.93,11.49) 21.14,11.7 21.15,11.7 21.3,11.85 21.3,12.04 21.39,12.12 21.39,12.45 21.77,12.83 24.82,12.83 25.5,13.51 28.76,13.51 31.1,15.86 36.15,15.86 36.59,15.42 37.03,15.42 37.13,15.32 37.13,15.07 37.4,14.8 38.04,14.8 38.31,15.07 38.31,15.73 38.53,15.95 39.04,15.95 39.12,15.88 39.12,15.75 39.5,15.37 40.24,15.37 40.63,15.76 40.63,16.04 41.21,16.62 42.08,16.62 42.73,17.27 42.73,17.89 42.24,18.38 42.24,19.52 43.51,20.79 43.51,21.41 44.25,22.15 44.38,22.15 44.53,22.3 44.53,23.78 v1(44.14,24.17)
  BOTTOM w0.102: v1(20.93,11.49) 20.8,11.49 20.39,11.91 J11.36
GPIO14_N: length 37.1
  TOP w0.102: U2.V10 v1(42.53,24.97)
  L8_SIG w0.095: v1(42.53,24.97) 43.53,24.97 43.65,24.85 43.65,24.68 43.53,24.56 42.37,24.56 42.12,24.31 42.12,23.19 41.86,22.92 41.86,22.44 41.06,21.64 41.06,20.88 40.46,20.28 39.72,20.28 38.64,19.2 38.64,18.26 38.2,17.83 36.63,17.83 35.61,16.81 32.44,16.81 31.42,15.8 25.58,15.8 22.61,12.83 20.75,12.83 20.54,12.61 20.54,10.92 20.41,10.8 20.41,9.72 20.29,9.59 19.92,9.59 v1(19.82,9.69)
  BOTTOM w0.102: J11.37 19.82,8.26 v1(19.82,9.69)
GPIO14_P: length 37.3
  TOP w0.102: U2.V11 v1(44.14,24.97)
  L8_SIG w0.095: v1(44.14,24.97) 43.74,25.36 42.34,25.36 42.12,25.14 42.12,24.74 41.96,24.58 41.59,24.58 41.34,24.33 41.34,23.14 41.56,22.92 41.56,22.57 40.76,21.77 40.76,21.01 40.34,20.59 39.59,20.59 38.33,19.33 38.33,18.39 38.08,18.14 36.5,18.14 35.49,17.12 32.31,17.12 31.3,16.1 25.45,16.1 22.48,13.13 20.63,13.13 20.23,12.74 20.23,11.05 20.11,10.93 20.11,10.66 v1(19.99,10.54)
  BOTTOM w0.102: v1(19.99,10.54) 19.47,10.02 19.47,9.98 19.37,9.88 19.37,9.45 19.39,9.42 J11.39
GPIO15_N: length 40.1
  TOP w0.102: U2.U10 v1(42.53,25.77)
  L5_SIG w0.095: v1(19.79,12.13) 19.55,12.13 19.1,11.68 19.1,11.56 19.23,11.43 19.36,11.43 19.62,11.69 20.04,11.69 20.22,11.87 20.22,12.66 20.69,13.13 22.15,13.13 22.91,13.89 24.69,13.89 25.2,14.4 30.1,14.4 30.76,15.06 32.72,15.06 32.98,14.8 37.26,14.8 39.36,16.89 40.44,16.89 41.91,18.36 41.91,19.6 43.27,20.95 43.27,21.5 43.41,21.64 43.41,24.65 43.11,24.95 43.1,24.95 42.69,25.36 42.27,25.36 42.15,25.48 42.15,25.65 42.27,25.77 v1(42.53,25.77)
  BOTTOM w0.102: v1(19.79,12.13) 19.79,11.93 19.64,11.77 19.45,11.77 19.34,11.87 19.34,12.37 19.55,12.57 19.62,12.57 19.89,12.85 J11.38
GPIO15_P: length 39.9
  TOP w0.102: U2.T9 v1(41.73,26.57)
  L5_SIG w0.095: v1(41.73,26.57) 42.14,26.16 42.73,26.16 42.92,25.96 42.92,25.56 43.23,25.26 43.24,25.26 43.72,24.78 43.72,21.51 43.58,21.37 43.58,20.83 42.22,19.47 42.22,18.24 40.57,16.59 39.49,16.59 37.39,14.49 32.86,14.49 32.59,14.76 30.89,14.76 30.23,14.1 25.33,14.1 24.82,13.59 23.04,13.59 22.28,12.83 20.82,12.83 20.53,12.53 20.53,11.75 20.08,11.3 v1(19.8,11.3)
  BOTTOM w0.102: J11.40 19.39,12.85 19.04,12.5 19.04,11.75 19.48,11.3 v1(19.8,11.3)
